# Altium PCB MCU.PcbDoc (part 3 of 3)
Units mm, origin at the board's own origin, x right, y up, seen from the top; angles counter-clockwise.
Board outline 100 x 100 mm, 4 copper layers (Top Layer, GND, Power, Bottom Layer), stack 1.586 mm thick; 181 components, 168 nets, 706 pads, 351 vias.
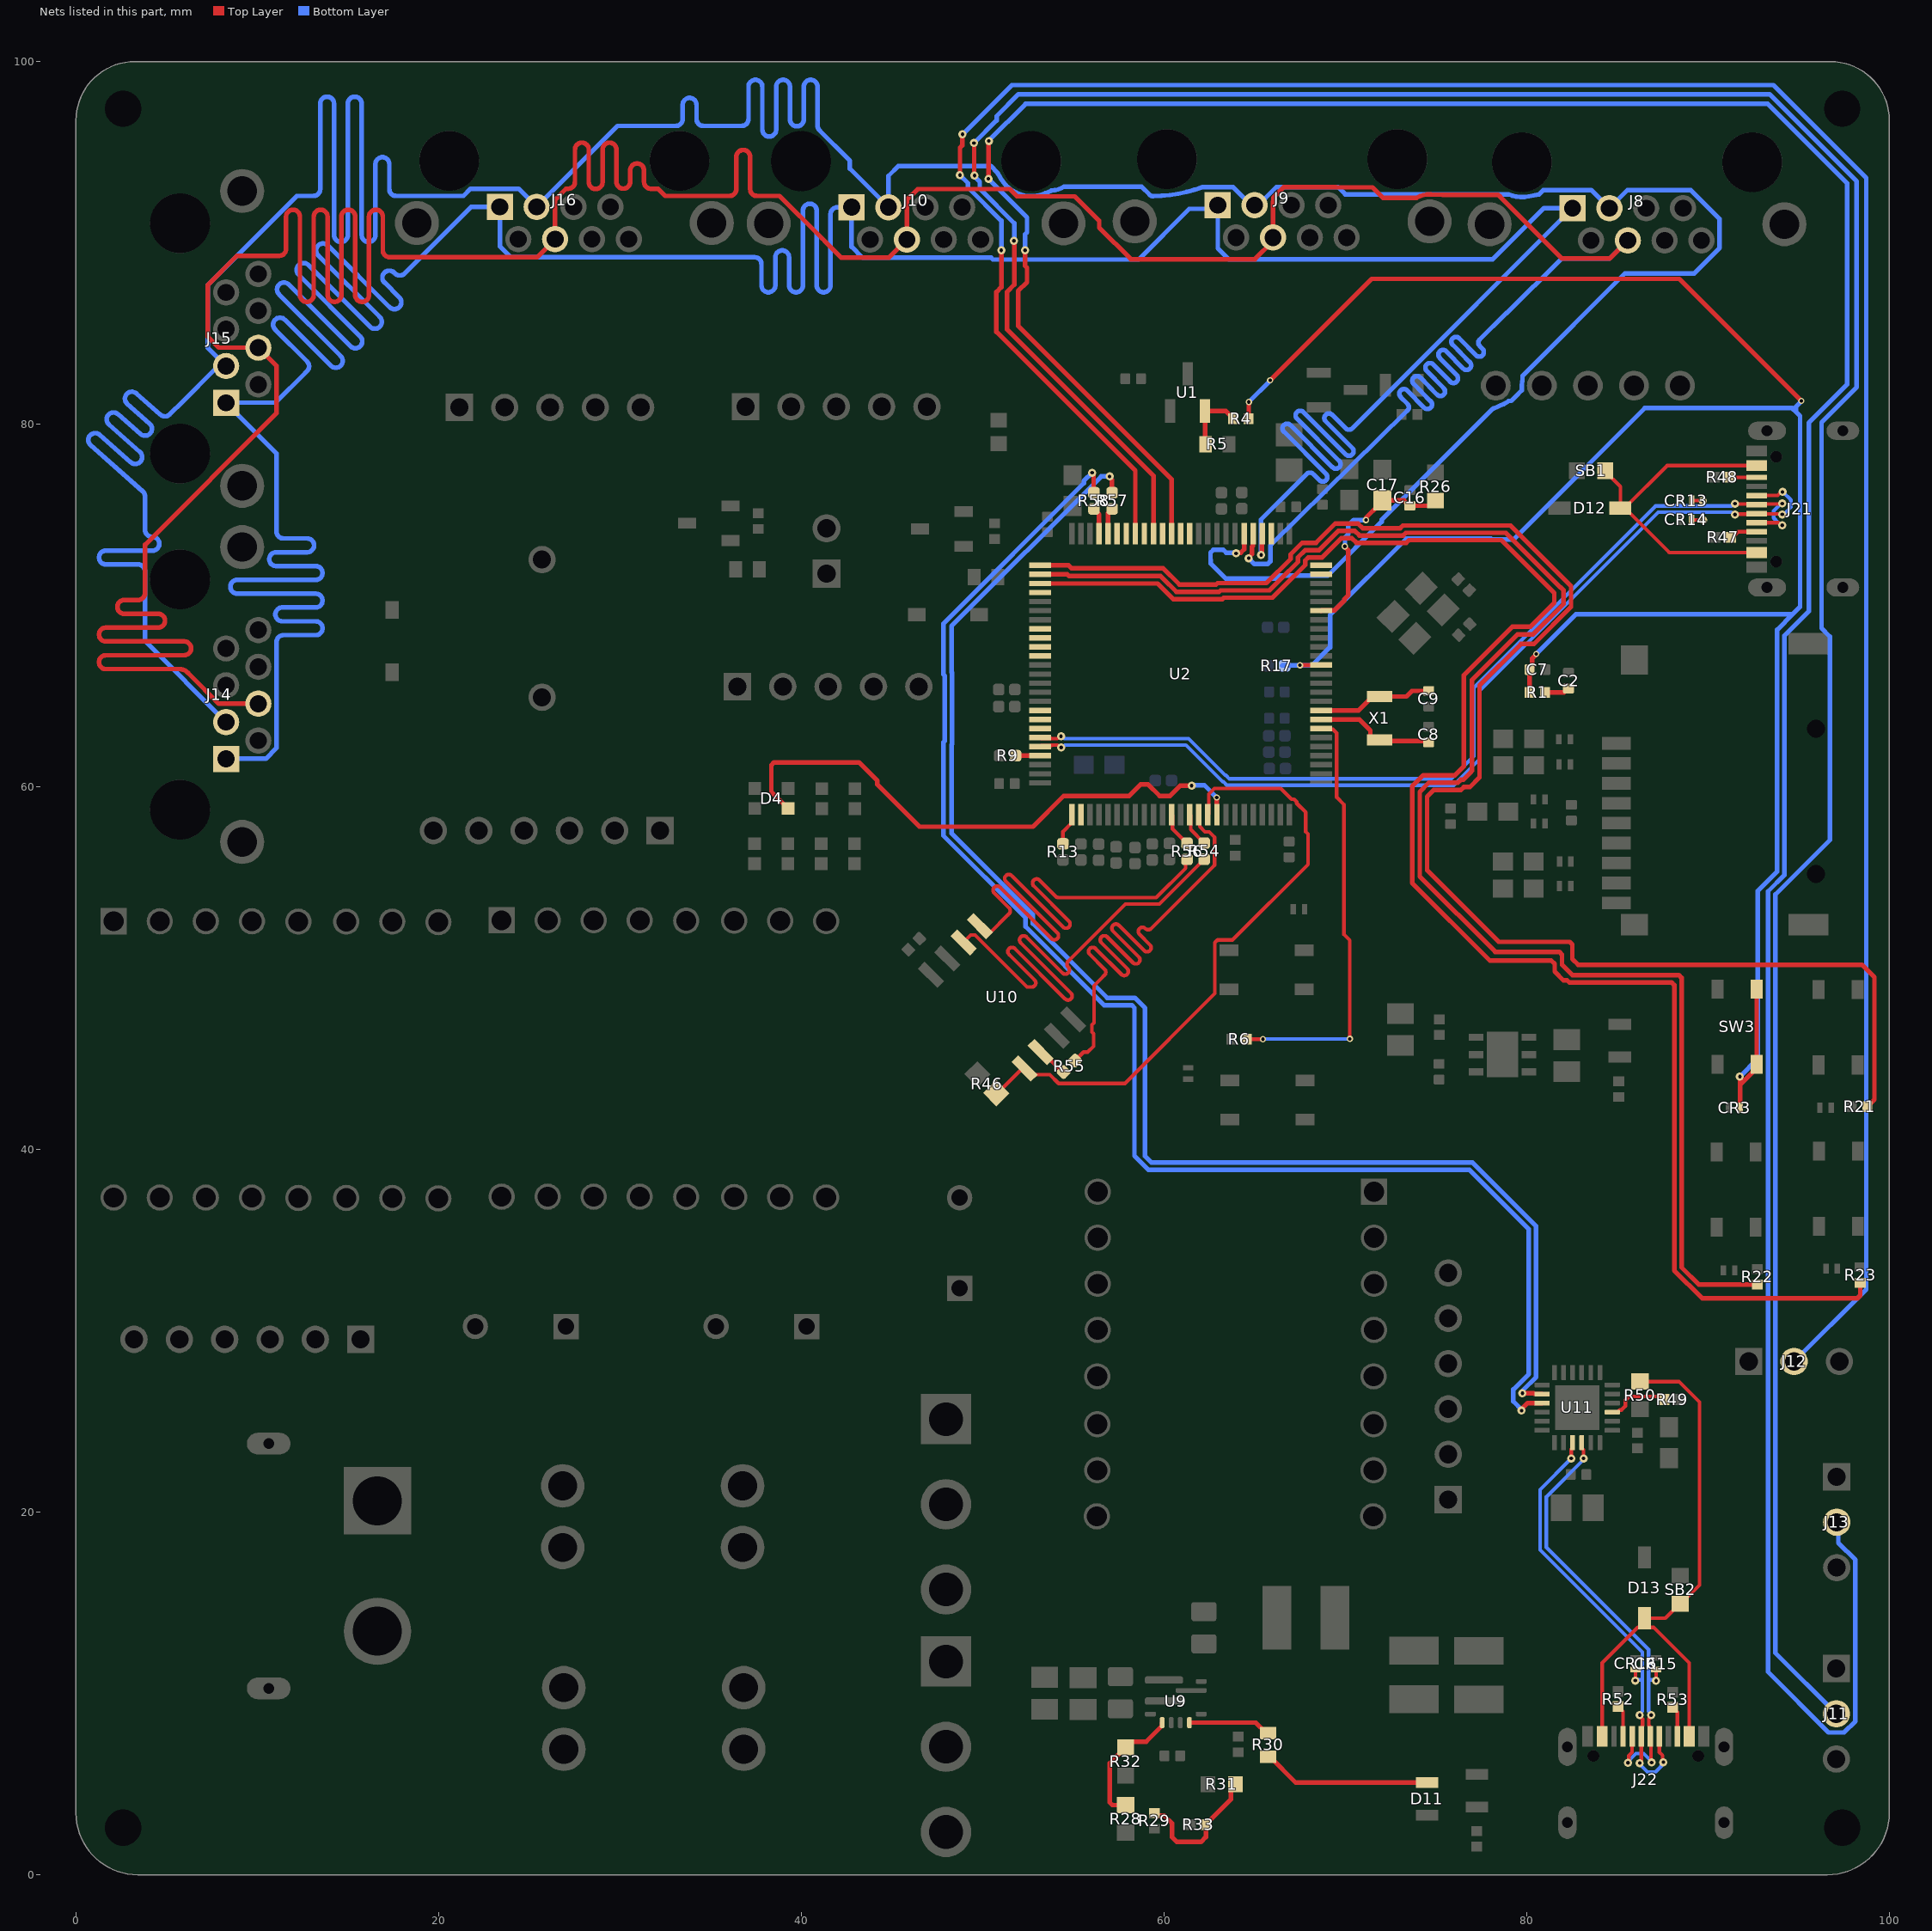
[diagram p5: the nets of this part, all layers, seen from the top]

## Via types
v1: diameter 0.35, hole 0.2, Top Layer to Bottom Layer, 187 vias
v2: diameter 0.45, hole 0.2, Top Layer to Bottom Layer, 141 vias
v3: diameter 0.6, hole 0.3, Top Layer to Bottom Layer, 17 vias
v4: diameter 1.27, hole 0.711, Top Layer to Bottom Layer, 6 vias

## Nets (pads, with @x,y where several pads share a name; then routed paths per layer and width w, separated by ;. In a path a pad name is that pad's centre, name@x,y a point inside that pad or via, vN(x,y) a via of type N, cw(c..) or ccw(c..) an arc to the next point about the centre after c; other vN are vias at no path point) (continued)
NetR4_1: R4.1 R5.2 U1.2 | length 3.6
  Top Layer w0.254: R5.2@62.29,78.9 62.27,78.92 62.27,80.71 U1.2@62.25,80.73 63.416,80.73 63.806,80.34 R4.1@63.806,80.31
NetR28_1: R28.1 R32.2 U9.1 | length 7
  Top Layer w0.254: R28.1@57.88,3.84 57.159,3.84 57.01,3.989 57.01,6.15 57.552,6.692 57.552,6.722 57.86,7.03 R32.2@57.89,7.03 58.198,7.338 59.019,7.338 59.9,8.219 U9.1@59.9,8.39
NetR29_1: R29.1 R31.2 R33.2 | length 7.6
  Top Layer w0.254: R29.1@59.47,3.404 59.613,3.261 60.019,3.261 60.45,2.83 60.45,2.07 60.71,1.81 62.04,1.81 62.31,2.08 R33.2@62.31,2.77 62.31,2.775 63.7,4.165 63.7,4.746 R31.2@63.944,4.99
NetR30_1: R30.1 U9.4 | length 4.6
  Top Layer w0.254: U9.4@61.4,8.39 65.06,8.39 65.64,7.81 R30.1@65.74,7.81
NetR49_1: R49.1 U11.9 | length 3.5
  Top Layer w0.2: U11.9@84.725,25.515 85.015,25.515 85.135,25.635 85.23,25.635 85.445,25.851 85.445,26.164 85.661,26.38 87.43,26.38 R49.1@87.6,26.21
NetR54_1: R54.1 U2.89 | length 1.9
  Top Layer w0.2: U2.89@61.42,58.47 61.47,58.42 61.47,57.649 R54.1@62.22,56.899
NetR55_1: R55.1 U2.90 | length 31.5
  Top Layer w0.2: R55.1@55.094,44.904 55.564,45.374 55.795,45.374 56.115,45.694 56.115,46.391 56.032,46.473 56.032,46.882 56.14,46.99 56.14,48.47 56.14,49.034 56.645,49.539 56.655,49.55 56.726,49.62 ccw(c56.565,49.781) 56.726,49.941 55.907,50.761 cw(c56.067,50.921) 55.907,51.082 cw(c56.067,50.921) 56.228,51.082 57.647,49.663 ccw(c57.807,49.823) 57.968,49.663 ccw(c57.807,49.823) 57.968,49.984 56.549,51.403 cw(c56.709,51.563) 56.549,51.724 cw(c56.709,51.563) 56.87,51.724 58.289,50.305 ccw(c58.449,50.465) 58.61,50.305 ccw(c58.449,50.465) 58.61,50.626 57.191,52.045 cw(c57.351,52.205) 57.191,52.366 cw(c57.351,52.205) 57.512,52.366 58.906,50.972 ccw(c59.066,51.132) 59.227,50.972 ccw(c59.066,51.132) 59.227,51.293 58.652,51.868 cw(c58.813,52.028) 58.652,52.189 cw(c58.813,52.028) 58.973,52.189 ccw(c59.134,52.349) 59.294,52.189 59.673,52.567 60.838,53.732 62.66,55.554 62.787,55.682 62.787,57.227 62.493,57.522 62.265,57.522 61.97,57.816 61.97,58.42 U2.90@61.92,58.47
NetR56_2: R56.2 U2.87 | length 1.9
  Top Layer w0.2: U2.87@60.42,58.47 60.47,58.42 60.47,57.689 R56.2@61.27,56.889
NetR57_1: R57.1 U2.46 | length 1.5
  Top Layer w0.254: U2.46@56.92,73.97 56.92,75.098 57.14,75.318 R57.1@57.14,75.336
NetR58_1: R58.1 U2.47 | length 1.5
  Top Layer w0.254: R58.1@56.14,75.331 56.14,75.314 56.42,75.034 U2.47@56.42,73.97
NRST: C7.2 CR3.2 R1.1 R4.2 R17.1 SW3.3 SW3.4 U2.14 | length 137.1
  Top Layer w0.254: R4.2@64.67,80.31 64.675,80.315 64.675,81.225 v1(64.68,81.23) ; v1(65.855,82.425) 71.451,88.02 88.42,88.02 v1(95.15,81.29) ; v1(67.5,66.71) 67.505,66.715 68.665,66.715 U2.14@68.67,66.72 ; R1.1@80.158,65.21 80.163,65.215 80.163,66.465 C7.2@80.168,66.47 80.311,66.613 80.311,67.085 80.53,67.304 v1(80.53,67.33) ; v2(91.76,44.02) 91.77,44.01 91.77,42.31 CR3.2@91.78,42.3 ; 91.78,43.59 92.685,44.495 SW3.3@92.685,44.695 SW3.4@92.685,48.845
  Bottom Layer w0.254: v1(64.68,81.23) 65.855,82.405 v1(65.855,82.425) ; R17.1@66.514,66.69 66.524,66.7 67.49,66.7 v1(67.5,66.71) 68.17,66.71 69.16,67.7 69.16,69.486 73.36,73.686 78.044,73.686 78.09,73.64 79.264,73.64 86.514,80.89 94.64,80.89 94.86,80.67 ; v1(80.53,67.33) 82.73,69.53 94.68,69.53 ; v2(91.76,44.02) 92.74,45 92.74,54.254 93.816,55.33 93.816,68.666 94.68,69.53 ; v1(95.15,81.29) 95.15,81.264 94.86,80.974 94.86,80.67 ; 94.68,69.53 95.08,69.93 95.08,80.45 94.86,80.67
PA2: U2.24
PA3: U2.25
PA4: U2.28
PA8: U2.67
PA9: U2.68
PA10: U2.69
PA11: CR13.1 J21.A7 J21.B7 U2.70 | length 54.6
  Top Layer w0.2: U2.70@53.17,62.72 53.22,62.67 53.77,62.67 53.78,62.66 54.122,62.66 54.252,62.79 v2(54.32,62.79) ; CR13.1@89.11,75.79 v2(89.72,75.79) ; v2(91.49,75.62) 91.515,75.595 92.66,75.595 J21.A7@92.685,75.57 92.715,75.6 94.07,75.6 v2(94.1,75.63) ; J21.B7@92.685,74.57 93.892,74.57 94.032,74.43 v2(94.1,74.43)
  Bottom Layer w0.2: v2(54.32,62.79) 54.388,62.79 54.516,62.662 61.353,62.662 63.372,60.643 63.403,60.643 63.409,60.643 63.419,60.633 63.424,60.633 63.615,60.443 75.838,60.443 77.08,61.685 77.08,65.465 87.11,75.495 89.665,75.495 ; v2(89.72,75.79) 89.672,75.742 89.672,75.502 89.665,75.495 ; v2(91.49,75.62) 91.422,75.62 91.297,75.495 89.665,75.495 ; v2(94.1,74.43) 94.032,74.43 93.907,74.555 93.903,74.555 93.625,74.833 93.625,75.227 93.98,75.582 94.052,75.582 v2(94.1,75.63)
PA12: CR14.1 J21.A6 J21.B6 U2.71 | length 54.8
  Top Layer w0.2: U2.71@53.17,62.22 53.22,62.27 53.762,62.27 53.802,62.31 54.132,62.31 54.262,62.18 v2(54.33,62.18) ; CR14.1@89.1,74.73 89.11,74.72 89.72,74.72 v2(89.73,74.71) ; v2(91.49,75.02) 91.515,75.045 92.66,75.045 J21.A6@92.685,75.07 92.705,75.05 94.08,75.05 v2(94.1,75.03) ; J21.B6@92.685,76.07 93.842,76.07 94.042,76.27 v2(94.11,76.27)
  Bottom Layer w0.2: v2(54.33,62.18) 54.398,62.18 54.53,62.312 61.208,62.312 63.227,60.293 63.258,60.293 63.264,60.293 63.274,60.283 63.279,60.283 63.47,60.093 75.982,60.093 77.43,61.54 77.43,65.32 87.255,75.145 89.665,75.145 ; v2(89.73,74.71) 89.682,74.758 89.682,75.128 89.665,75.145 ; v2(91.49,75.02) 91.422,75.02 91.297,75.145 89.665,75.145 ; v2(94.1,75.03) 94.148,75.078 94.22,75.078 94.575,75.433 94.575,75.827 94.132,76.27 v2(94.11,76.27)
PA13: R9.1 U2.72 | length 1.3
  Top Layer w0.254: R9.1@51.82,61.72 U2.72@53.17,61.72
PA14: R13.1 U2.76 | length 1.8
  Top Layer w0.2: R13.1@54.43,56.859 54.43,57.53 54.92,58.02 U2.76@54.92,58.47
PA15: U2.77
PB10: R57.2 U11.20 | length 81.5
  Top Layer w0.254: v2(57,77.122) 57,77.069 57.135,76.934 57.135,76.23 R57.2@57.14,76.225 ; v2(79.77,26.56) 80.376,26.56 80.418,26.518 80.852,26.518 U11.20@80.855,26.515
  Bottom Layer w0.254: v2(57,77.122) 56.542,77.122 48.282,68.862 48.282,66.329 48.319,66.292 48.319,62.369 48.282,62.332 48.282,57.439 52.772,52.95 52.772,52.462 56.866,48.368 58.389,48.368 58.96,47.796 58.96,39.631 59.313,39.278 77.02,39.278 80.525,35.774 80.525,27.453 79.808,26.736 79.808,26.598 v2(79.77,26.56)
PB11: R58.2 U11.21 | length 82.9
  Top Layer w0.254: v2(56.041,77.331) 56.041,77.278 56.121,77.197 56.121,76.239 R58.2@56.14,76.22 ; v2(79.72,25.6) 79.758,25.638 79.758,25.719 80.054,26.015 U11.21@80.855,26.015
  Bottom Layer w0.254: v2(56.041,77.331) 55.584,76.874 55.584,76.751 47.832,68.999 47.832,66.207 47.915,66.124 47.915,62.536 47.832,62.453 47.832,57.318 52.368,52.782 52.368,52.295 56.699,47.964 58.221,47.964 58.37,47.815 58.37,39.65 59.146,38.874 76.853,38.874 80.121,35.607 80.121,27.621 79.268,26.768 79.268,26.105 79.72,25.653 v2(79.72,25.6)
PB15: U2.54
PC13: R6.1 U2.7 | length 23.8
  Top Layer w0.2: R6.1@64.572,46.09 64.582,46.08 v1(65.46,46.08) ; U2.7@68.67,63.22 68.72,63.17 69.324,63.17 69.52,62.974 69.52,59.43 69.93,59.02 69.93,51.86 70.25,51.54 v1(70.25,46.1)
  Bottom Layer w0.2: v1(65.46,46.08) 65.47,46.09 70.24,46.09 v1(70.25,46.1)
PC14: C8.1 U2.8 X1.2 | length 6.7
  Top Layer w0.254: U2.8@68.67,63.72 70.776,63.72 71.383,63.113 71.383,62.774 71.561,62.596 X1.2@71.9,62.596 71.969,62.527 74.531,62.527 C8.1@74.6,62.458
PC15: C9.1 U2.9 X1.1 | length 6.4
  Top Layer w0.254: U2.9@68.67,64.22 70.742,64.22 71.506,64.984 X1.1@71.9,64.984 73.367,64.984 73.675,65.292 C9.1@74.6,65.292
PD11: U2.58
PD12: U2.59
PD13: U2.60
PD14: U2.61
PE7: U2.37
PE8: U2.38
PE10: U2.40
PE12: U2.42
PE14: U2.44
PE15: U2.45
RGB_DIN: D4.3 U2.92 | length 31.7
  Top Layer w0.254: D4.3@39.265,58.81 38.35,59.725 38.35,61.201 38.499,61.35 43.173,61.35 44.192,60.332 44.192,60.126 46.518,57.8 52.774,57.8 54.474,59.5 58.08,59.5 58.712,60.132 59.128,60.132 59.76,59.5 60.333,59.5 60.903,60.07 v2(61.53,60.07) ; v1(62.907,59.416) 62.907,58.483 U2.92@62.92,58.47
  Bottom Layer w0.254: v2(61.53,60.07) 61.55,60.09 62.232,60.09 v1@62.907,59.416
SERVO1: J13.2 U2.39 | length 178.1
  Top Layer w0.254: v2(50.32,93.54) 50.33,93.55 50.33,95.61 v2(50.34,95.62) ; v2(52.34,89.59) 52.34,88.743 52.45,88.633 52.45,87.838 51.96,87.348 51.96,85.43 60.42,76.97 U2.39@60.42,73.97
  Bottom Layer w0.254: v2(50.32,93.54) 52.45,91.41 52.45,90.582 52.34,90.472 v2(52.34,89.59) ; v2(50.34,95.62) 50.34,95.64 52.37,97.67 93.3,97.67 97.67,93.3 97.67,82.19 95.56,80.08 95.56,69.679 94.22,68.339 94.22,55.14 93.315,54.235 93.315,11.187 96.653,7.849 97.507,7.849 98.131,8.473 98.131,17.367 97.193,18.305 97.193,19.347 J13.2@97.1,19.44
SERVO2: J11.2 U2.41 | length 166.1
  Top Layer w0.254: v2(49.52,95.51) 49.535,95.495 49.535,93.735 v2(49.55,93.72) ; v2(51.72,90.12) 51.74,90.1 51.74,87.7 51.35,87.31 51.35,85.23 59.42,77.16 U2.41@59.42,73.97
  Bottom Layer w0.254: v2(49.52,95.51) 50.769,96.759 50.769,96.989 51.98,98.2 93.4,98.2 98.2,93.4 98.2,82.044 96.263,80.107 96.263,68.751 96.727,68.287 96.727,57.076 93.719,54.068 93.719,12.241 J11.2@97.08,8.88 ; v2(49.55,93.72) 49.55,93.667 49.84,93.377 49.84,92.987 51.74,91.087 51.74,90.14 v2(51.72,90.12)
SERVO3: J12.2 U2.43 | length 146.3
  Top Layer w0.254: v2(48.75,93.74) 48.75,95.257 48.877,95.384 48.877,95.977 v2(48.89,95.99) ; v2(51.03,89.6) 51.03,87.561 50.76,87.291 50.76,85.1 58.42,77.44 U2.43@58.42,73.97
  Bottom Layer w0.254: v2(48.75,93.74) 49.188,93.302 49.188,93.068 51.03,91.226 v2(51.03,89.6) ; v2(48.89,95.99) 51.61,98.71 93.61,98.71 98.73,93.59 98.73,32.29 J12.2@94.75,28.31
SPI1_MISO: J8.4 J9.4 J10.4 J14.4 J15.4 J16.4 U2.30 | length 240.8
  Top Layer w0.254: J14.4@10.055,64.588 7.875,64.588 6.283,66.18 6.156,66.307 ccw(c5.696,65.847) 5.696,66.498 1.649,66.498 cw(c1.649,66.879) 1.649,67.26 5.967,67.26 ccw(c5.967,67.641) 5.967,68.022 1.649,68.022 cw(c1.649,68.403) 1.649,68.784 4.529,68.784 ccw(c4.529,69.165) 4.529,69.546 2.661,69.546 cw(c2.661,69.927) 2.661,70.308 3.427,70.308 ccw(c3.427,70.689) 3.808,70.689 3.808,72.68 3.808,73.357 11.056,80.605 11.056,83.225 J15.4@10.055,84.226 7.875,84.226 7.274,84.827 7.274,87.689 8.876,89.291 11.079,89.291 11.206,89.291 ccw(c11.206,89.672) 11.587,89.672 11.587,91.45 cw(c11.968,91.45) 12.349,91.45 12.349,87.132 ccw(c12.73,87.132) 13.111,87.132 13.111,91.45 cw(c13.492,91.45) 13.873,91.45 13.873,87.132 ccw(c14.254,87.132) 14.635,87.132 14.635,91.45 cw(c15.016,91.45) 15.397,91.45 15.397,87.132 ccw(c15.778,87.132) 16.159,87.132 16.159,91.45 cw(c16.54,91.45) 16.921,91.45 16.921,89.59 ccw(c17.302,89.59) 17.302,89.209 18.538,89.209 25.421,89.209 J16.4@26.422,90.21 26.422,92.39 27.007,92.975 27.023,92.991 27.134,92.991 ccw(c27.134,93.372) 27.515,93.372 27.515,95.15 cw(c27.896,95.15) 28.277,95.15 28.277,93.356 ccw(c28.658,93.356) 29.039,93.356 29.039,95.15 cw(c29.42,95.15) 29.801,95.15 29.801,93.372 ccw(c30.182,93.372) 30.563,93.372 30.563,94.001 cw(c30.944,94.001) 31.325,94.001 31.325,93.372 ccw(c31.706,93.372) 31.706,92.991 32.094,92.991 32.493,92.592 32.708,92.592 32.86,92.592 36.035,92.592 ccw(c36.035,92.973) 36.416,92.973 36.416,94.751 cw(c36.797,94.751) 37.178,94.751 37.178,92.973 ccw(c37.559,92.973) 37.559,92.592 38.798,92.592 41.13,90.26 41.375,90.015 41.815,89.575 42.201,89.189 44.821,89.189 J10.4@45.822,90.19 45.822,92.37 46.423,92.971 51.494,92.971 51.893,92.572 55.078,92.572 56.427,91.223 56.427,90.847 58.175,89.099 65.015,89.099 66.016,90.1 66.016,92.28 66.027,92.291 66.027,92.495 66.613,93.081 69.475,93.081 69.486,93.07 71.499,93.07 72.076,92.493 73.86,92.493 73.923,92.493 cw(c74.65,91.19) 74.72,92.68 75.363,92.65 78.448,92.65 78.522,92.576 81.959,89.139 84.579,89.139 J8.4@85.58,90.14 ; v2(64.67,72.61) 64.67,72.663 64.848,72.841 64.848,73.242 64.897,73.291 64.897,73.947 U2.30@64.92,73.97
  Bottom Layer w0.254: v2(64.67,72.61) 64.99,72.29 65.721,72.29 65.87,72.439 65.87,73.32 65.944,73.394 65.946,73.396 73.339,80.672 73.429,80.761 ccw(c73.251,80.942) 73.432,81.12 73.05,81.508 cw(c73.231,81.686) 73.053,81.867 cw(c73.231,81.686) 73.412,81.864 74.348,80.914 ccw(c74.529,81.092) 74.707,80.911 ccw(c74.529,81.092) 74.71,81.27 73.769,82.226 cw(c73.95,82.404) 73.772,82.585 cw(c73.95,82.404) 74.131,82.583 75.066,81.632 ccw(c75.247,81.81) 75.425,81.629 ccw(c75.247,81.81) 75.428,81.989 74.487,82.945 cw(c74.668,83.123) 74.49,83.304 cw(c74.668,83.123) 74.849,83.301 75.784,82.351 ccw(c75.966,82.529) 76.144,82.348 ccw(c75.966,82.529) 76.147,82.707 75.206,83.663 cw(c75.387,83.841) 75.209,84.022 cw(c75.387,83.841) 75.568,84.019 76.503,83.069 ccw(c76.684,83.247) 76.862,83.066 ccw(c76.684,83.247) 76.865,83.426 75.924,84.382 cw(c76.105,84.56) 75.927,84.741 cw(c76.105,84.56) 76.286,84.738 77.207,83.802 ccw(c77.388,83.98) 77.567,83.799 ccw(c77.388,83.98) 77.569,84.158 77.409,84.321 cw(c77.59,84.499) 77.412,84.68 78.798,86.044 78.889,86.134 81.934,89.131 84.571,89.131 J8.4@85.58,90.14
SPI1_MOSI: J8.3 J9.3 J10.3 J14.3 J15.3 J16.3 U2.31 | length 238.2
  Top Layer w0.254: v2(63.98,72.88) 64.018,72.918 64.236,72.918 64.42,73.101 U2.31@64.42,73.97
  Bottom Layer w0.254: J14.3@8.275,63.572 3.808,68.039 3.808,71.76 3.808,71.887 ccw(c3.427,71.887) 3.427,72.268 1.649,72.268 cw(c1.649,72.649) 1.649,73.03 4.213,73.03 ccw(c4.213,73.411) 4.213,73.792 4.189,73.792 cw(c4.189,74.173) 3.808,74.173 3.808,74.87 3.808,75.506 3.808,76.013 ccw(c3.427,76.013) 3.68,76.298 0.805,78.844 cw(c1.058,79.129) 0.773,79.382 cw(c1.058,79.129) 1.311,79.414 3.018,77.902 ccw(c3.27,78.188) 3.555,77.935 ccw(c3.27,78.188) 3.523,78.473 1.816,79.985 cw(c2.069,80.27) 1.783,80.523 cw(c2.069,80.27) 2.321,80.555 3.552,79.465 ccw(c3.805,79.75) 4.09,79.497 ccw(c3.805,79.75) 4.058,80.035 2.827,81.126 cw(c3.079,81.411) 2.794,81.663 cw(c3.079,81.411) 3.332,81.696 4.649,80.529 ccw(c4.901,80.814) 5.171,80.545 5.901,81.275 7.607,82.982 8.047,82.982 J15.3@8.275,83.21 7.274,84.211 7.274,87.689 12.177,92.592 12.96,92.592 13.087,92.592 ccw(c13.087,92.973) 13.468,92.973 13.468,97.682 cw(c13.849,97.682) 14.23,97.682 14.23,90.433 ccw(c14.611,90.433) 14.992,90.433 14.992,97.682 cw(c15.373,97.682) 15.754,97.682 15.754,90.433 ccw(c16.135,90.433) 16.516,90.433 16.516,94.352 cw(c16.897,94.352) 17.278,94.352 17.278,92.973 ccw(c17.659,92.973) 17.659,92.592 20.17,92.592 21.367,92.592 21.766,92.991 24.405,92.991 J16.3@25.406,91.99 29.873,96.457 31.51,96.457 31.55,96.457 31.97,96.457 32.95,96.457 33.077,96.457 ccw(c33.077,96.838) 33.458,96.838 33.458,97.622 cw(c33.839,97.622) 34.22,97.622 34.22,96.838 ccw(c34.601,96.838) 34.601,96.457 36.58,96.457 36.707,96.457 ccw(c36.707,96.838) 37.088,96.838 37.088,98.616 cw(c37.469,98.616) 37.85,98.616 37.85,96.248 ccw(c38.231,96.248) 38.612,96.248 38.612,98.616 cw(c38.993,98.616) 39.374,98.616 39.374,96.818 ccw(c39.755,96.818) 40.136,96.818 40.136,98.616 cw(c40.517,98.616) 40.898,98.616 40.898,96.475 ccw(c41.279,96.475) 41.01,96.206 42.611,94.605 42.678,94.537 42.678,94.098 J10.3@44.806,91.97 44.806,93.696 45.352,94.242 50.453,94.242 50.814,93.881 51.02,93.531 ccw(c52.68,94.51) 53.445,92.742 53.781,92.887 ccw(c53.726,94.336) 54.5,93.11 58.76,93.11 59.217,92.653 59.218,92.652 ccw(c59.396,92.833) 59.398,92.579 ccw(c59.292,100.814) 62.125,93.081 62.17,93.081 63.803,93.081 63.965,92.919 63.988,92.892 65,91.88 66.2,93.08 66.612,93.08 66.613,93.081 69.475,93.081 69.476,93.08 69.605,93.08 70.003,92.682 78.995,92.682 ccw(c79.738,94.46) 80.109,92.569 80.685,92.682 80.76,92.756 80.924,92.921 83.563,92.921 J8.3@84.564,91.92 85.565,92.921 89.043,92.921 90.645,91.319 90.645,89.725 89.242,88.323 85.423,88.323 79.842,82.742 79.771,82.671 79.771,82.454 cw(c78.453,82.454) 79.771,82.418 cw(c79.517,82.428) 79.765,82.373 ccw(c80.84,82.13) 79.739,82.183 cw(c79.486,82.196) 79.732,82.136 79.732,81.869 79.385,81.522 79.149,81.286 79.008,81.286 cw(c78.3,82.13) 78.738,81.119 78.167,80.872 78.088,80.818 72.003,74.733 72.003,74.62 69.037,71.654 66.345,71.654 66.173,71.482 63.416,71.482 62.572,72.326 62.572,72.517 62.569,72.52 62.569,72.919 62.721,73.07 63.279,73.07 63.432,72.918 63.942,72.918 v2(63.98,72.88)
SPI1_SCK: J8.1 J9.1 J10.1 J14.1 J15.1 J16.1 U2.29 | length 240.2
  Top Layer w0.254: v2(65.36,72.792) 65.397,72.829 65.397,73.947 U2.29@65.42,73.97
  Bottom Layer w0.254: J14.1@8.275,61.54 8.29,61.555 10.47,61.555 11.056,62.141 11.056,67.1 11.056,67.989 cw(c11.437,67.989) 11.437,68.37 13.215,68.37 ccw(c13.215,68.751) 13.215,69.132 11.372,69.132 cw(c11.372,69.513) 11.372,69.894 13.215,69.894 ccw(c13.215,70.275) 13.215,70.656 8.897,70.656 cw(c8.897,71.037) 8.897,71.418 13.215,71.418 ccw(c13.215,71.799) 13.215,72.18 11.038,72.18 cw(c11.038,72.561) 11.038,72.942 12.75,72.942 ccw(c12.75,73.323) 12.75,73.704 11.437,73.704 cw(c11.437,74.085) 11.056,74.085 11.056,75.61 11.056,78.397 J15.1@8.275,81.178 8.29,81.193 11.003,81.193 12.65,82.84 12.739,82.929 ccw(c12.47,83.199) 12.739,83.468 10.98,85.228 cw(c11.249,85.498) 10.98,85.767 cw(c11.249,85.498) 11.518,85.767 14.058,83.227 ccw(c14.327,83.497) 14.597,83.227 ccw(c14.327,83.497) 14.597,83.766 11.198,87.165 cw(c11.467,87.435) 11.198,87.704 cw(c11.467,87.435) 11.736,87.704 15.136,84.305 ccw(c15.405,84.574) 15.674,84.305 ccw(c15.405,84.574) 15.674,84.844 12.275,88.243 cw(c12.545,88.512) 12.275,88.782 cw(c12.545,88.512) 12.814,88.782 16.213,85.383 ccw(c16.483,85.652) 16.752,85.383 ccw(c16.483,85.652) 16.752,85.921 13.353,89.321 cw(c13.622,89.59) 13.353,89.859 cw(c13.622,89.59) 13.892,89.859 17.291,86.46 ccw(c17.56,86.73) 17.83,86.46 ccw(c17.56,86.73) 17.83,86.999 17.009,87.82 cw(c17.278,88.09) 17.009,88.359 cw(c17.278,88.09) 17.547,88.359 17.589,88.318 ccw(c17.858,88.587) 18.128,88.318 18.725,88.915 21.8,91.99 J16.1@23.374,91.99 23.374,89.81 23.975,89.209 32.35,89.209 37.421,89.209 cw(c37.421,88.828) 37.802,88.828 37.802,87.658 ccw(c38.183,87.658) 38.564,87.658 38.564,89.207 cw(c38.945,89.207) 39.326,89.207 39.326,87.658 ccw(c39.707,87.658) 40.088,87.658 40.088,91.778 cw(c40.469,91.778) 40.85,91.778 40.85,87.658 ccw(c41.231,87.658) 41.612,87.658 41.612,91.589 cw(c41.993,91.589) 41.993,91.97 42.12,91.97 J10.1@42.774,91.97 42.774,89.79 43.375,89.189 50.461,89.189 50.562,89.088 58.602,89.088 61.394,91.88 62.968,91.88 62.968,89.7 63.569,89.099 78.137,89.099 80.958,91.92 J8.1@82.532,91.92 71.996,81.384 70.384,79.772 cw(c70.205,79.952) 70.025,79.772 69.276,80.521 ccw(c69.097,80.342) 68.917,80.521 ccw(c69.097,80.342) 68.917,80.162 70.385,78.694 cw(c70.206,78.514) 70.385,78.335 cw(c70.206,78.514) 70.026,78.335 67.69,80.671 ccw(c67.511,80.491) 67.331,80.671 ccw(c67.511,80.491) 67.331,80.311 69.661,77.981 cw(c69.482,77.802) 69.661,77.622 cw(c69.482,77.802) 69.302,77.622 66.972,79.952 ccw(c66.792,79.772) 66.613,79.952 ccw(c66.792,79.772) 66.613,79.593 68.937,77.269 cw(c68.758,77.089) 68.937,76.909 cw(c68.758,77.089) 68.578,76.909 68.229,77.258 ccw(c68.05,77.078) 67.87,77.258 67.421,76.809 65.35,74.738 65.35,72.802 v2(65.36,72.792)